# Altium PCB ESIMA_EIS.PcbDoc (part 3 of 3)
Units mm, origin at the board's own origin, x right, y up, seen from the top; angles counter-clockwise.
Board outline 83.45 x 62 mm, 4 copper layers (Top Layer, Signal Layer 1, Signal Layer 2, Bottom Layer), stack 1.583 mm thick; 170 components, 171 nets, 674 pads, 365 vias.
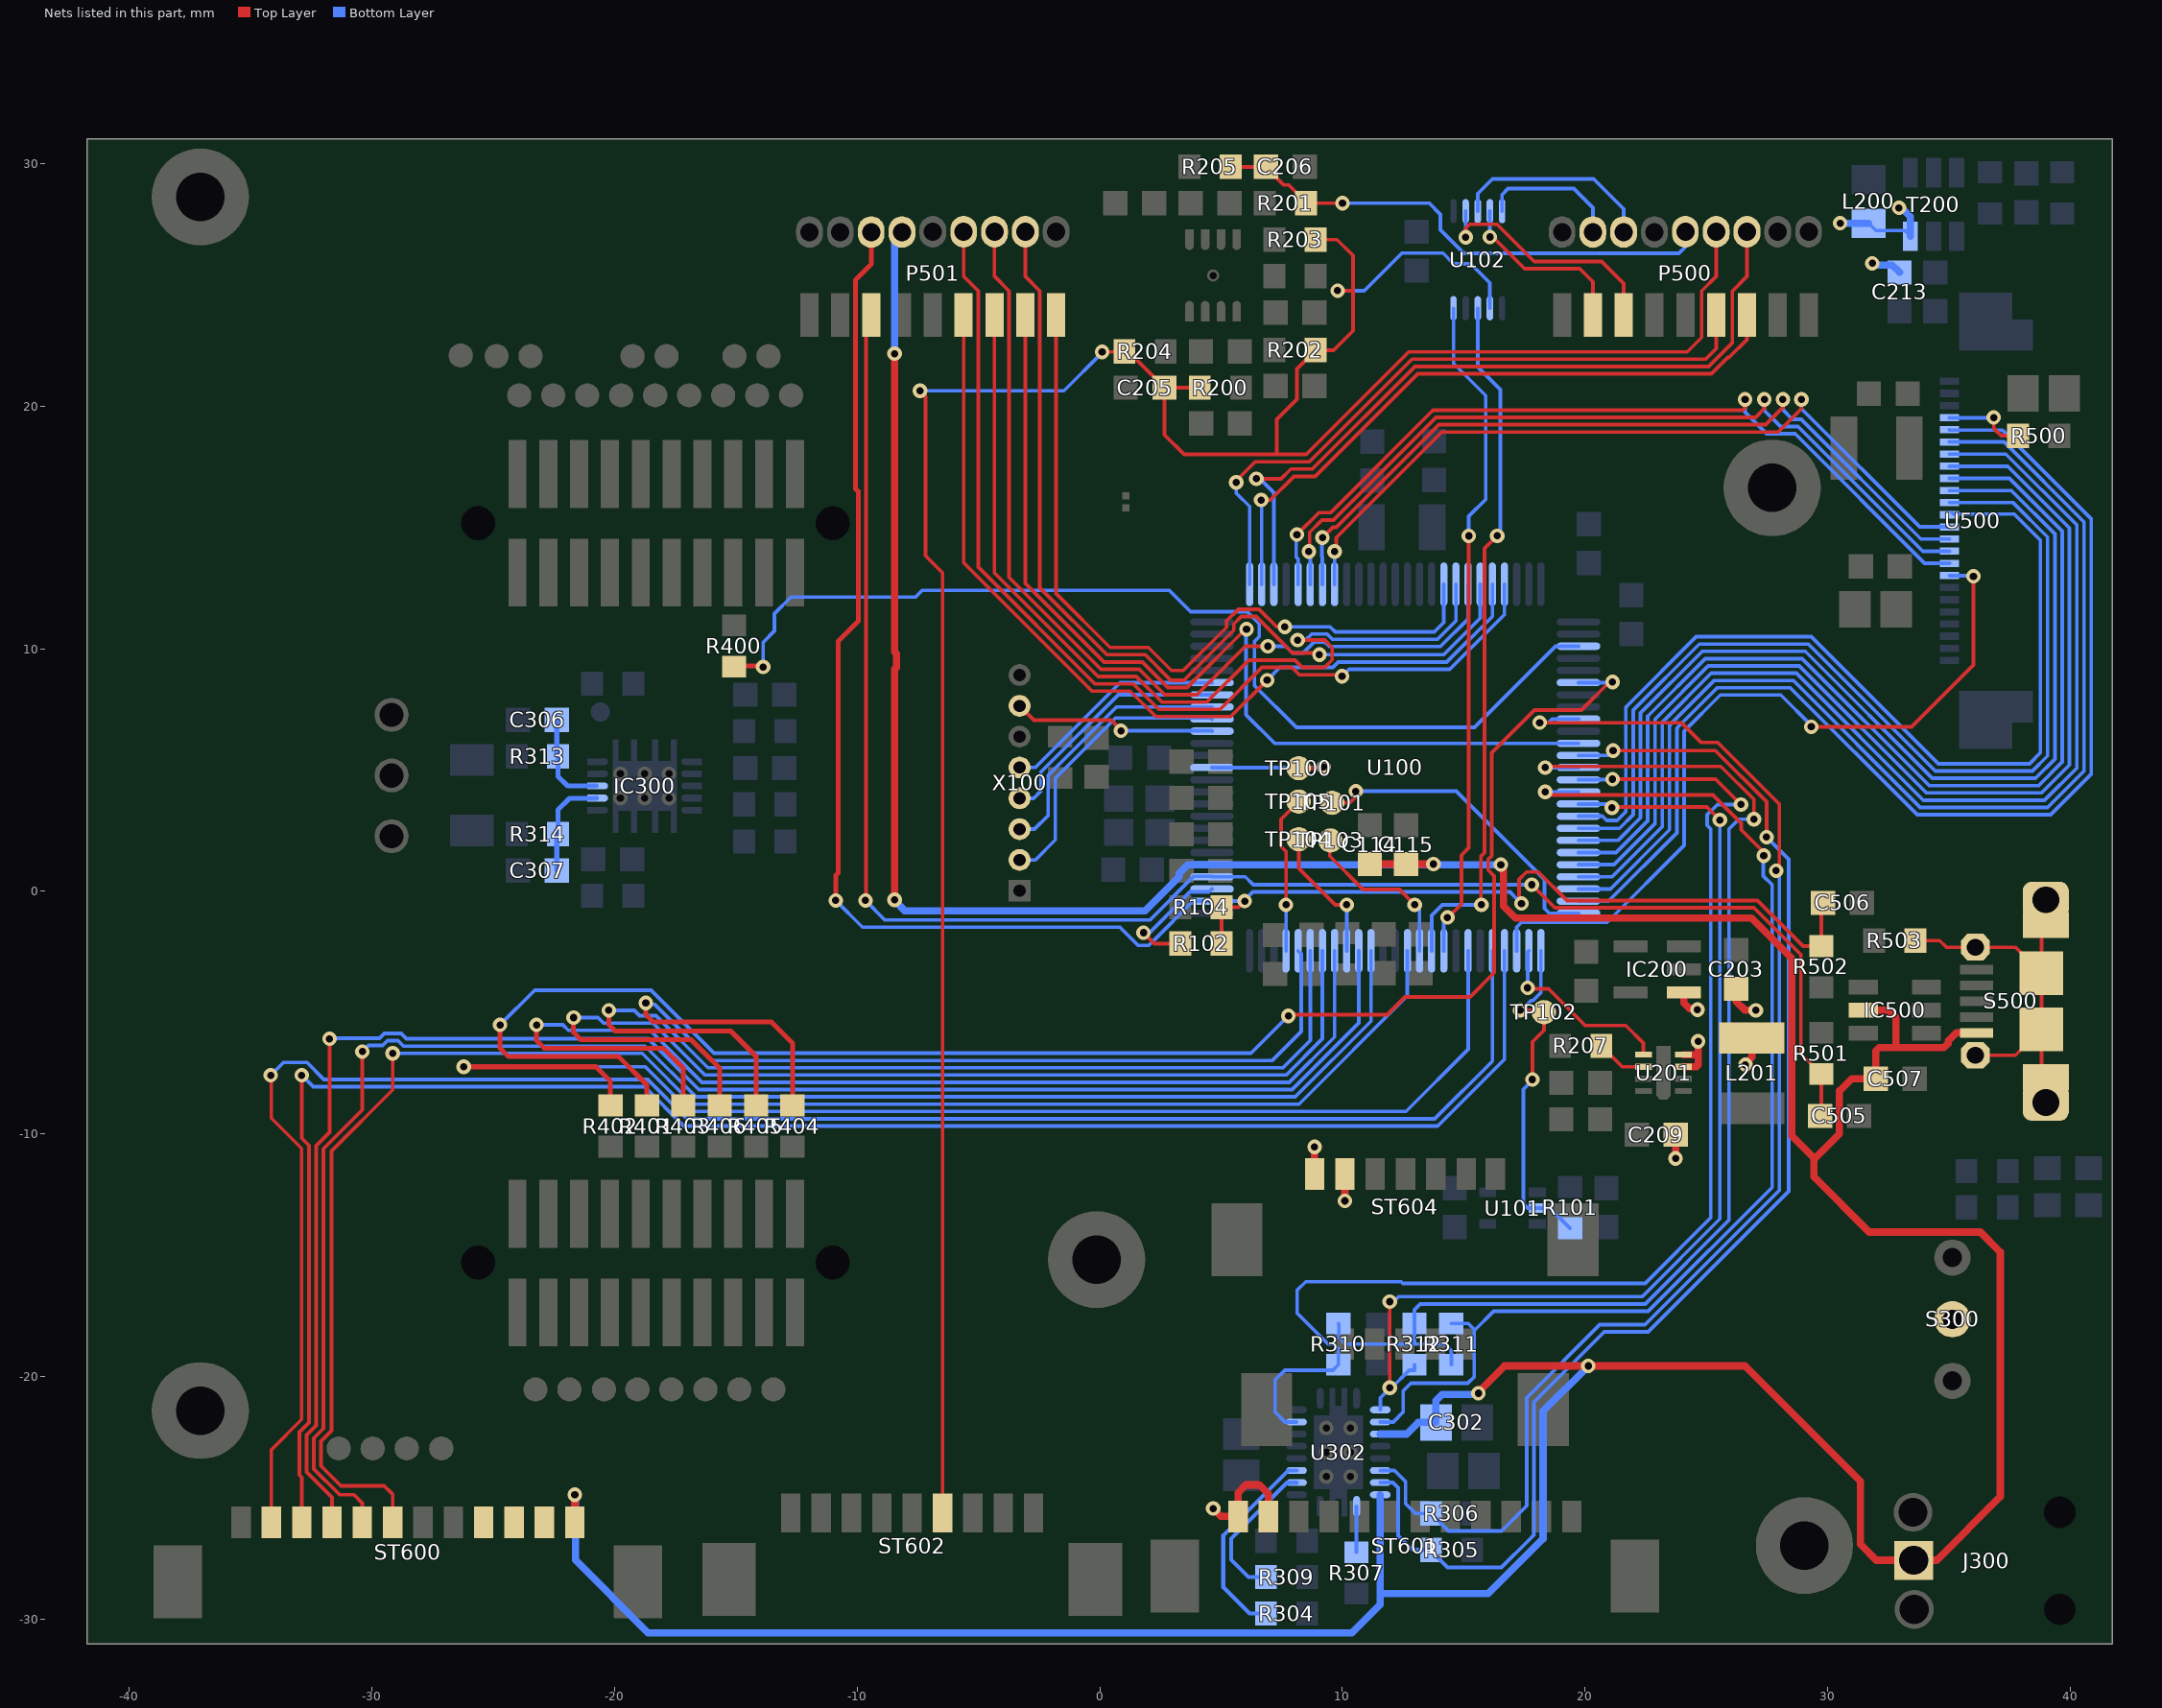
[diagram p5: the nets of this part, all layers, seen from the top]

## Via types
v1: diameter 0.6, hole 0.3, Top Layer to Bottom Layer, 211 vias
v2: diameter 0.6, hole 0.3, Top Layer to Bottom Layer, tented both sides, 100 vias
v3: diameter 0.6, hole 0.3, Top Layer to Bottom Layer, tented bottom, 49 vias
v4: diameter 0.5, hole 0.3, Top Layer to Bottom Layer, 4 vias
v5: diameter 0.6, hole 0.3, Top Layer to Bottom Layer, tented top, 1 vias

## Nets (pads, with @x,y where several pads share a name; then routed paths per layer and width w, separated by ;. In a path a pad name is that pad's centre, name@x,y a point inside that pad or via, vN(x,y) a via of type N, cw(c..) or ccw(c..) an arc to the next point about the centre after c; other vN are vias at no path point) (continued)
NetP500_5: P500.5 U100.2 | length 27.2
  Top Layer w0.15: v1(6.65,16.125) 7.025,16.125 8,17.1 8.88,17.1 13.105,21.325 25.202,21.325 25.871,21.994 25.925,21.994 26.665,22.734 P500.5@26.665,23.743
  Bottom Layer w0.15: U100.2@6.675,12.65 v1@6.675,16.125
NetP500_6: P500.6 U100.3 | length 31.5
  Top Layer w0.15: v1(6.45,17.001) 7.476,17.001 7.875,17.4 8.756,17.4 12.981,21.625 25.077,21.625 26.065,22.613 26.065,24.736 26.665,25.336 P500.6@26.665,27.175
  Bottom Layer w0.15: v1@6.475,17.026 v1(6.45,17.001) 6.599,17.001 7.175,16.425 U100.3@7.175,12.65
NetP500_7: P500.7 U100.1 | length 27.9
  Top Layer w0.15: v1(5.625,16.85) 5.625,16.918 6.407,17.7 8.632,17.7 12.857,21.925 24.953,21.925 25.395,22.367 P500.7@25.395,23.743
  Bottom Layer w0.15: v1(5.625,16.85) 5.625,16.408 6.175,15.858 U100.1@6.175,12.65
NetP500_13: P500.13 U102.2 | length 10.4
  Top Layer w0.15: v3(15.076,26.951) 15.076,27.326 15.233,27.483 16.367,27.483 17.9,25.95 20.675,25.95 21.585,25.04 P500.13@21.585,23.743
  Bottom Layer w0.15: v3@15.076,26.878 v3(15.076,26.951) ; v3@15.075,26.952 U102.2@15.075,28.025
NetP500_14: P500.14 U102.3 | length 8.4
  Bottom Layer w0.15: U102.3@15.575,28.025 15.575,28.75 16.175,29.35 20.35,29.35 21.585,28.115 P500.14@21.585,27.163
NetP500_15: P500.15 U102.4 | length 7.4
  Top Layer w0.15: v3(16.075,26.958) 16.197,26.958 17.505,25.65 19.775,25.65 20.315,25.11 P500.15@20.315,23.743
  Bottom Layer w0.15: v3(16.075,26.958) U102.4@16.075,28.025
NetP500_16: P500.16 U102.5 | length 5.8
  Bottom Layer w0.15: U102.5@16.575,28.025 16.575,28.7 16.825,28.95 19.525,28.95 20.315,28.16 P500.16@20.315,27.163
NetP501_1: P501.1 U100.17 | length 32.2
  Top Layer w0.15: P501.1@-1.795,23.743 -1.795,12.27 0.425,10.05 2.004,10.05 2.954,9.1 3.443,9.1 5.225,10.883 5.225,11.142 5.708,11.625 6.568,11.625 7.292,10.901 v3(7.625,10.901)
  Bottom Layer w0.15: v3@7.524,10.901 v3(7.625,10.901) ; v3@7.626,10.9 9.492,10.9 9.705,10.687 13.786,10.687 14.175,11.076 U100.17@14.175,12.65
NetP501_3: P501.3 U100.36 | length 40.7
  Top Layer w0.15: P501.3@-3.065,23.743 -3.065,12.691 0.176,9.45 1.755,9.45 2.805,8.4 3.6,8.4 6,10.8 v3(6.05,10.8)
  Bottom Layer w0.15: v3(6.05,10.8) 6.025,10.775 6.025,7.279 7.204,6.1 U100.36@19.725,6.1
NetP501_4: P501.4 U100.20 | length 38.6
  Top Layer w0.15: P501.4@-3.065,27.175 -3.065,25.336 -2.465,24.736 -2.465,12.516 0.301,9.75 1.88,9.75 2.93,8.7 3.466,8.7 5.525,10.759 5.525,11.017 5.833,11.325 6.443,11.325 7.525,10.243 7.525,10.233 7.933,9.825 8.976,9.825 v3(9.05,9.75)
  Bottom Layer w0.15: v3@9.05,9.775 v3(9.05,9.75) 9.434,9.75 14.17,9.75 15.675,11.255 U100.20@15.675,12.65
NetP501_5: P501.5 U100.18 | length 38.5
  Top Layer w0.15: P501.5@-4.335,23.743 -4.335,13.113 -0.072,8.85 1.507,8.85 2.557,7.8 4.42,7.8 6.145,9.525 8.042,9.525 8.341,9.225 9.268,9.225 9.575,9.533 9.575,10.05 9.274,10.351 v3(8.15,10.351)
  Bottom Layer w0.15: v3@8.009,10.491 v3(8.15,10.351) 8.484,10.351 8.733,10.6 9.368,10.6 9.581,10.387 13.91,10.387 14.675,11.152 U100.18@14.675,12.65
NetP501_6: P501.6 U100.19 | length 38.5
  Top Layer w0.15: P501.6@-4.335,27.175 -4.335,25.336 -3.735,24.736 -3.735,12.937 0.052,9.15 1.631,9.15 2.681,8.1 4,8.1 6,10.1 v3(6.925,10.1)
  Bottom Layer w0.15: v3@6.9,10.1 7.658,10.1 7.933,9.826 8.383,9.826 8.833,10.275 9.268,10.275 9.456,10.087 14.034,10.087 15.175,11.228 U100.19@15.175,12.65
NetP501_7: P501.7 U100.21 | length 37.6
  Top Layer w0.15: P501.7@-5.605,23.743 -5.605,13.534 -0.321,8.25 1.258,8.25 2.308,7.2 5.4,7.2 v3(6.9,8.7)
  Bottom Layer w0.15: v3(6.9,8.7) 7.425,9.225 9.6,9.225 9.825,9.45 14.294,9.45 16.175,11.331 U100.21@16.175,12.65
NetP501_8: P501.8 U100.22 | length 41.3
  Top Layer w0.15: P501.8@-5.605,27.175 -5.605,25.336 -5.005,24.736 -5.005,13.359 -0.196,8.55 1.383,8.55 2.433,7.5 4.958,7.5 6.683,9.225 7.917,9.225 8.217,8.925 9.921,8.925 v3(9.982,8.865)
  Bottom Layer w0.15: v3(9.982,8.865) 10.268,9.15 14.419,9.15 16.675,11.406 U100.22@16.675,12.65
NetR102_2: R102.2 U100.78 | length 5.3
  Top Layer w0.15: v1(1.802,-1.7) 2.252,-2.15 R102.2@3.325,-2.15
  Bottom Layer w0.15: v1(1.802,-1.7) 1.877,-1.775 1.975,-1.775 3.5,-0.25 3.5,-0.245 3.72,-0.025 4.5,-0.025 U100.78@4.625,0.1
NetR207_1: R207.1 U201.6 | length 2.1
  Top Layer w0.15: R207.1@20.666,-6.365 21.526,-7.225 U201.6@22.4,-7.225
NetR304_2: R304.2 U302.14 | length 8.5
  Bottom Layer w0.17: R304.2@6.85,-29.75 6.175,-29.75 5.095,-28.67 5.095,-26.53 5.596,-26.029 7.767,-23.858 U302.14@8.108,-23.858
NetR305_2: R305.2 U100.37 U302.8 | length 54.2
  Top Layer w0.15: v1(21.15,5.8) 25.364,5.8 27.474,3.69 27.474,2.238 v1(27.471,2.235)
  Bottom Layer w0.15: U302.8@11.558,-24.358 12.083,-24.358 12.3,-24.575 12.3,-26.55 12.875,-27.125 R305.2@13.65,-27.125 13.65,-27.175 14.325,-27.85 16.55,-27.85 17.7,-26.7 ; 17.7,-26.699 17.888,-26.511 17.888,-24.308 17.888,-21.045 20.782,-18.151 22.59,-18.151 28.389,-12.352 28.389,1.318 v1(27.471,2.235) ; U100.37@19.725,5.6 20.95,5.6 v1(21.15,5.8)
NetR306_2: R306.2 U100.34 U302.7 | length 55.4
  Top Layer w0.15: v3(18.125,6.95) 23.952,6.95 24.763,6.139 25.449,6.139 27.996,3.592 27.996,0.985 v1(27.864,0.853)
  Bottom Layer w0.15: U302.7@11.558,-23.858 12.147,-23.858 12.6,-24.311 12.6,-25.225 13,-25.625 R306.2@13.65,-25.625 14.375,-26.35 16.552,-26.35 17.588,-25.314 17.588,-24.433 17.588,-20.863 20.6,-17.851 22.466,-17.851 28.001,-12.315 28.001,0.716 v1(27.864,0.853) ; v3(18.125,6.95) 18.492,6.95 18.642,7.1 U100.34@19.725,7.1
NetR307_2: R307.2 U302.10 | length 1.9
  Bottom Layer w0.15: R307.2@10.575,-27.225 U302.10@10.575,-25.341
NetR309_1: R309.1 U302.13 | length 6.3
  Bottom Layer w0.17: R309.1@6.85,-28.25 6.127,-28.25 5.415,-27.538 5.415,-26.663 5.728,-26.349 7.72,-24.358 U302.13@8.108,-24.358
NetR310_1: R310.1 R311.1 R312.1 U100.38 | length 50.6
  Top Layer w0.15: v3(18.35,5.1) 18.4,5.15 25.59,5.15 26.949,3.79 v1(26.949,2.972)
  Bottom Layer w0.15: R310.1@9.833,-17.8 9.85,-17.817 9.85,-18.375 10.125,-18.65 14.2,-18.65 14.483,-18.933 R311.1@14.483,-19.5 ; 12.966,-18.65 R312.1@12.966,-17.8 12.966,-17.234 13.203,-16.997 22.47,-16.997 25.925,-13.543 25.925,2.571 26.326,2.972 v1(26.949,2.972) ; v3(18.35,5.1) U100.38@19.725,5.1
NetR310_2: R310.2 U100.39 U302.18 | length 52.9
  Top Layer w0.15: v1(21.126,4.625) 25.372,4.625 v1(26.416,3.581)
  Bottom Layer w0.15: U302.18@8.108,-21.858 7.633,-21.858 7.225,-21.45 7.225,-20.125 7.625,-19.725 9.608,-19.725 R310.2@9.833,-19.5 9.833,-18.833 9.65,-18.65 9.415,-18.65 8.136,-17.372 8.136,-16.432 8.491,-16.078 12.424,-16.078 12.496,-16.151 22.469,-16.151 25.175,-13.444 25.175,2.571 25.025,2.721 25.025,3.156 25.45,3.581 v1(26.416,3.581) ; U100.39@19.725,4.6 21.125,4.6 21.126,4.601 v1(21.126,4.625)
NetR311_2: R311.2 U100.40 U302.3 | length 48.4
  Top Layer w0.15: v3(18.35,4.1) 18.475,3.975 25.256,3.975 26.424,2.807 26.424,2.54 27.356,1.608 v1(27.356,1.473)
  Bottom Layer w0.15: U302.3@11.558,-21.858 12.092,-21.858 12.5,-21.45 12.5,-20.575 12.816,-20.259 15.166,-20.259 15.425,-20 15.425,-18.05 15.175,-17.8 R311.2@14.483,-17.8 ; 15.45,-18.1 15.45,-18.077 16.229,-17.297 22.595,-17.297 27.701,-12.191 27.701,0.273 27.339,0.636 27.339,1.456 v1(27.356,1.473) ; v3(18.35,4.1) U100.40@19.725,4.1
NetR312_2: R312.2 U100.41 U302.2 | length 43.7
  Top Layer w0.15: v1(11.95,-20.45) v1(11.95,-16.9) ; v1(21.1,3.45) 21.2,3.45 21.225,3.475 25.014,3.475 v1(25.55,2.939)
  Bottom Layer w0.15: U302.2@11.558,-21.358 11.558,-20.867 11.8,-20.625 v1@12,-20.625 ; v1(11.95,-20.45) 12.026,-20.45 12.751,-19.725 12.966,-19.725 R312.2@12.966,-19.5 ; v1(11.95,-16.9) v1@12.075,-16.925 ; v1@12.083,-16.933 v1@12.075,-16.925 ; U100.41@19.725,3.6 20.95,3.6 v1(21.1,3.45) ; v1(25.55,2.939) 25.55,-13.494 22.346,-16.697 12.303,-16.697 v1@12.075,-16.925
NetR500_1: R500.1 U500.4 | length 3.4
  Top Layer w0.15: v1(36.83,19.525) 36.83,19.075 37.135,18.771 R500.1@37.834,18.771
  Bottom Layer w0.15: U500.4@35.001,19.515 35.001,19.502 v1@36.807,19.502
NetR503_2: R503.2 S500.GND1 S500.GND2 S500.GND3 S500.GND4 S500.GND5 S500.GND6 | length 17.2
  Top Layer w0.15: R503.2@33.6,-2.025 34.6,-2.025 34.875,-2.3 S500.GND6@36.075,-2.3 37.72,-2.3 S500.GND2@38.795,-3.375 ; S500.GND5@36.075,-6.75 37.72,-6.75 S500.GND1@38.795,-5.675 ; S500.GND4@38.795,-0.53 S500.GND2@38.795,-3.375 ; S500.GND3@38.975,-8.7 38.795,-8.52 S500.GND1@38.795,-5.675 ; S500.GND1@38.795,-5.675 S500.GND2@38.795,-3.375
NetST600_2: ST600.2 U100.55 | length 76.5
  Top Layer w0.15: ST600.2@-34.125,-26 -34.125,-23.003 -32.879,-21.756 -32.879,-10.589 -34.125,-9.343 v1@-34.125,-7.575
  Bottom Layer w0.15: v1(-34.15,-7.575) -33.625,-7.05 -32.658,-7.05 -31.958,-7.75 -18.623,-7.75 -17.008,-9.365 13.803,-9.365 16.175,-6.992 U100.55@16.175,-2.45
NetST600_3: ST600.3 U100.54 | length 74.8
  Top Layer w0.15: ST600.3@-32.875,-26 -32.875,-24.143 -32.975,-24.043 -32.975,-22.277 -32.579,-21.881 -32.579,-10.465 -32.875,-10.168 v1(-32.875,-7.575)
  Bottom Layer w0.15: v1(-32.875,-7.575) -32.4,-8.05 -18.747,-8.05 -17.132,-9.665 13.927,-9.665 16.675,-6.917 U100.54@16.675,-2.45
NetST600_6: ST600.6 U100.62 | length 69.2
  Top Layer w0.15: ST600.6@-29.125,-26 -29.125,-24.844 -29.177,-24.792 -29.483,-24.486 -31.26,-24.486 -32.075,-23.671 -32.075,-22.65 -31.648,-22.223 -31.648,-10.7 -29.125,-8.177 v1(-29.125,-6.675)
  Bottom Layer w0.15: v1(-29.125,-6.675) -18.849,-6.675 -16.759,-8.765 8.21,-8.765 12.675,-4.3 U100.62@12.675,-2.45
NetST600_9: ST600.9
NetST600_10: ST600.10
NetST600_11: ST600.11
NetTP100_1: TP100.1 U100.88 | length 5.6
  Top Layer w0.15: TP100.1@8.2,5.075 9.175,5.075 v3(9.225,5.125)
  Bottom Layer w0.15: U100.88@4.625,5.1 v3@9.225,5.1
NetTP101_1: TP101.1 U100.50 | length 13.3
  Top Layer w0.15: TP101.1@9.575,3.65 10.3,3.65 10.55,3.9 v3(10.55,4.125)
  Bottom Layer w0.15: v3(10.55,4.125) 14.692,4.125 18.325,0.492 18.325,-0.7 18.525,-0.9 U100.50@19.725,-0.9
NetTP103_1: TP103.1 U100.61 | length 7
  Top Layer w0.15: TP103.1@9.5,2.1 9.48,2.08 9.48,1.452 10.857,0.075 12.35,0.075 v3(12.975,-0.55)
  Bottom Layer w0.15: v3(12.975,-0.55) 13.175,-0.75 U100.61@13.175,-2.45
NetTP104_1: TP104.1 U100.67 | length 5.7
  Top Layer w0.15: TP104.1@8.2,2.15 8.2,0.95 9.7,-0.55 v3(10.175,-0.55)
  Bottom Layer w0.15: U100.67@10.175,-2.45 v3(10.175,-0.55) ; v3(10.175,-0.55) v3@10.175,-0.5
NetTP105_1: TP105.1 U100.72 | length 6.6
  Top Layer w0.15: v3(7.675,-0.55) 7.675,1.649 7.475,1.85 7.475,2.975 TP105.1@8.2,3.7
  Bottom Layer w0.15: U100.72@7.675,-2.45 v3(7.675,-0.55) ; v3(7.675,-0.55) v3@7.7,-0.525
NetU100_5: U100.5 U500.16 | length 34.6
  Top Layer w0.15: v1(8.125,14.7) 9.025,15.6 9.501,15.6 13.726,19.825 26.48,19.825 26.585,19.93 v1(26.585,20.269)
  Bottom Layer w0.15: v1(8.125,14.7) 8.091,14.666 8.091,13.783 8.175,13.698 U100.5@8.175,12.65 ; v1(26.585,20.269) 26.585,19.744 27.48,18.85 28.648,18.85 33.983,13.515 U500.16@35.001,13.515
NetU100_6: U100.6 U500.15 | length 33.9
  Top Layer w0.15: v1(8.616,14) 8.65,14.034 8.65,14.792 9.158,15.3 9.626,15.3 13.851,19.525 27.015,19.525 27.381,19.891 v1(27.381,20.269)
  Bottom Layer w0.15: v1@8.625,14.009 v1(8.616,14) 8.675,13.941 U100.6@8.675,12.65 ; v1(27.381,20.269) 27.381,19.812 28.043,19.15 28.772,19.15 33.907,14.015 U500.15@35.001,14.015
NetU100_7: U100.7 U500.14 | length 33
  Top Layer w0.15: v1(9.175,14.575) 9.6,15 9.75,15 13.975,19.225 26.126,19.225 27.074,19.225 27.429,19.225 28.143,19.939 v1(28.143,20.269)
  Bottom Layer w0.15: U100.7@9.175,12.65 9.175,13.759 9.15,13.783 9.15,14.526 9.125,14.551 v1@9.226,14.551 ; v1(28.143,20.269) 28.143,19.837 28.531,19.45 28.897,19.45 33.831,14.515 U500.14@35.001,14.515
NetU100_8: U100.8 U500.13 | length 32.2
  Top Layer w0.15: v1(9.675,14.001) 9.75,14.075 9.75,14.576 14.099,18.925 27.95,18.925 28.905,19.881 v1(28.905,20.269)
  Bottom Layer w0.15: U100.8@9.675,12.65 v1@9.675,14 ; v1(9.675,14.001) v1@9.699,14.001 ; v1(28.905,20.269) 28.905,19.888 33.778,15.015 U500.13@35.001,15.015
NetU100_52: U100.52 U201.5 | length 7.9
  Top Layer w0.15: v1(17.626,-3.975) 17.626,-4.134 17.745,-4.015 18.49,-4.015 20,-5.525 21.675,-5.525 22.4,-6.25 U201.5@22.4,-6.725
  Bottom Layer w0.15: v1(17.626,-3.975) 17.626,-2.499 U100.52@17.675,-2.45
NetU100_53: U100.53 U500.17 | length 32.8
  Top Layer w0.15: v1(29.312,6.782) 33.449,6.782 35.992,9.324 v1(35.992,12.979)
  Bottom Layer w0.15: U100.53@17.175,-2.45 17.175,-1.475 17.375,-1.275 20.901,-1.275 24.075,1.899 24.075,6.589 24.1,6.614 24.1,6.623 25.566,8.089 28.055,8.089 29.312,6.833 v1(29.312,6.782) ; U500.17@35.001,13.015 35.012,13.005 35.966,13.005 v1(35.992,12.979)
NetU100_91: U100.91 X100.7 | length 8.4
  Top Layer w0.15: X100.7@-3.3,7.645 -2.705,7.05 -0.82,7.05 0.468,7.05 0.875,6.643 v1(0.875,6.618)
  Bottom Layer w0.15: v1(0.875,6.618) 4.593,6.618 4.6,6.625 U100.91@4.625,6.6
NetU100_92: U100.92 X100.2 | length 11.9
  Bottom Layer w0.15: X100.2@-3.3,1.295 -2.655,1.295 -1.825,2.125 -1.825,4.661 0.658,7.143 4.582,7.143 U100.92@4.625,7.1
NetU100_93: U100.93 X100.3 | length 11
  Bottom Layer w0.15: X100.3@-3.3,2.565 -2.685,2.565 -2.125,3.125 -2.125,4.785 0.69,7.6 U100.93@4.625,7.6
NetU100_94: U100.94 X100.4 | length 10.2
  Bottom Layer w0.15: X100.4@-3.3,3.835 -2.715,3.835 -2.425,4.125 -2.425,4.909 0.766,8.1 U100.94@4.625,8.1
NetU100_95: U100.95 X100.5 | length 9.4
  Bottom Layer w0.15: X100.5@-3.3,5.105 -2.653,5.105 0.842,8.6 U100.95@4.625,8.6
OLED_D0: U100.42 U500.12 | length 40
  Bottom Layer w0.15: U100.42@19.725,3.1 20.708,3.1 20.883,2.925 21.317,2.925 21.675,3.283 21.675,7.583 21.7,7.608 21.7,7.617 24.572,10.489 29.316,10.489 34.547,5.258 38.304,5.258 38.75,5.705 38.75,14.474 37.679,15.545 35.158,15.545 U500.12@35.094,15.608
OLED_D1: U100.43 U500.11 | length 41.1
  Bottom Layer w0.15: U100.43@19.725,2.6 21.417,2.6 21.975,3.158 21.975,7.459 22,7.484 22,7.493 24.696,10.189 29.192,10.189 34.423,4.958 38.428,4.958 39.05,5.58 39.05,14.598 37.632,16.015 U500.11@35.001,16.015
OLED_D2: U100.44 U500.10 | length 42.2
  Bottom Layer w0.15: U100.44@19.725,2.1 21.341,2.1 22.275,3.034 22.275,7.334 22.3,7.359 22.3,7.369 24.821,9.889 29.068,9.889 34.299,4.658 38.552,4.658 39.35,5.456 39.35,14.722 37.557,16.515 U500.10@35.001,16.515
OLED_D3: U100.45 U500.9 | length 43.4
  Bottom Layer w0.15: U100.45@19.725,1.6 21.265,1.6 22.575,2.91 22.575,7.21 22.6,7.235 22.6,7.244 24.945,9.589 28.944,9.589 34.175,4.358 38.677,4.358 39.65,5.332 39.65,14.846 37.481,17.015 U500.9@35.001,17.015
OLED_D4: U100.46 U500.8 | length 44.6
  Bottom Layer w0.15: U100.46@19.725,1.1 21.19,1.1 22.875,2.785 22.875,7.086 22.9,7.111 22.9,7.12 25.069,9.289 28.819,9.289 34.05,4.058 38.801,4.058 39.95,5.208 39.95,14.971 37.405,17.515 U500.8@35.001,17.515
OLED_D5: U100.47 U500.7 | length 45.7
  Bottom Layer w0.15: U100.47@19.725,0.6 21.114,0.6 23.175,2.661 23.175,6.962 23.2,6.987 23.2,6.996 25.193,8.989 28.695,8.989 33.926,3.758 38.925,3.758 40.25,5.083 40.25,15.095 37.329,18.015 U500.7@35.001,18.015
OLED_D6: U100.48 U500.6 | length 46.9
  Bottom Layer w0.15: U100.48@19.725,0.1 21.038,0.1 23.475,2.537 23.475,6.837 23.5,6.862 23.5,6.872 25.318,8.689 28.571,8.689 33.802,3.458 39.049,3.458 40.55,4.959 40.55,15.219 37.254,18.515 U500.6@35.001,18.515
OLED_D7: U100.49 U500.5 | length 48
  Bottom Layer w0.15: U100.49@19.725,-0.4 20.962,-0.4 23.775,2.413 23.775,6.713 23.8,6.738 23.8,6.747 25.442,8.389 28.446,8.389 33.677,3.158 39.174,3.158 40.85,4.835 40.85,15.343 37.193,19 35.017,19 U500.5@35.001,19.015
REF1.25V: C206.2 P500.10 R201.1 R205.2 | length 21.1
  Top Layer w0.15: R205.2@5.395,29.85 C206.2@6.845,29.85 7.595,29.1 7.795,29.1 8.495,28.4 R201.1@8.495,28.35 v1(10,28.35)
  Bottom Layer w0.15: v1(10,28.35) 13.575,28.35 14.034,27.891 14.034,27.25 14.997,26.288 23.863,26.288 24.125,26.55 P500.10@24.125,26.933
REF2.5V: C205.2 P500.8 R200.1 R202.2 R203.2 R204.2 ST602.6 U102.7 | length 111.2
  Top Layer w0.15: v1(-7.4,20.625) -7.175,20.4 -7.175,13.825 -6.475,13.125 ST602.6@-6.475,-25.6 ; v1(0.1,22.226) 0.996,22.226 R204.2@1.02,22.25 1.17,22.25 C205.2@2.67,20.75 ; R200.1@4.12,20.75 C205.2@2.67,20.75 ; R203.2@8.895,26.85 9.777,26.85 10.431,26.196 10.431,23.096 9.635,22.3 R202.2@8.895,22.3 8.125,21.53 8.125,20.283 7.292,19.45 7.292,18 ; v1(9.801,24.751) 10.375,24.751 ; P500.8@25.395,27.175 25.395,25.336 24.795,24.736 24.795,22.82 24.2,22.225 12.732,22.225 8.507,18 7.292,18 ; C205.2@2.67,20.75 2.67,18.805 3.475,18 7.292,18
  Bottom Layer w0.15: v1(-7.4,20.625) -1.475,20.625 0.1,22.2 v1(0.1,22.226) ; v1(9.801,24.751) 10.901,24.751 12.449,26.3 14.144,26.3 14.587,25.857 15.291,25.857 16.075,25.073 U102.7@16.075,24.025
RF.CS: R403.2 U100.68 | length 46.9
  Top Layer w0.2: v1(-23.201,-5.5) -23.201,-6.136 -22.88,-6.457 -17.973,-6.457 -17.155,-7.275 R403.2@-17.155,-8.818
  Bottom Layer w0.15: v1(-23.201,-5.5) -22.118,-5.5 -21.893,-5.725 -18.526,-5.725 -16.387,-7.865 7.808,-7.865 9.675,-5.998 U100.68@9.675,-2.45
RF.DATAREADY: R402.2 U100.57 | length 54.5
  Top Layer w0.2: v1(-26.2,-7.225) -20.756,-7.225 -20.155,-7.827 R402.2@-20.155,-8.818
  Bottom Layer w0.15: v1(-26.2,-7.225) -18.723,-7.225 -16.884,-9.065 12.618,-9.065 15.175,-6.508 U100.57@15.175,-2.45
RF.MISO: R404.2 U100.71 | length 41.3
  Top Layer w0.2: v1(-18.7,-4.6) -18.7,-5.074 -18.39,-5.385 -13.517,-5.385 -12.655,-6.247 R404.2@-12.655,-8.818
  Bottom Layer w0.15: v1@-18.64,-4.66 -18.318,-4.66 -16.014,-6.965 7.11,-6.965 8.297,-5.777 8.297,-2.572 U100.71@8.175,-2.45
RF.MOSI: R405.2 U100.70 | length 43.3
  Top Layer w0.15: v1(-20.226,-4.9) v1@-20.2,-4.926
  Top Layer w0.2: v1(-20.226,-4.9) -20.226,-5.486 -19.955,-5.757 -15.198,-5.757 -14.155,-6.8 R405.2@-14.155,-8.818
  Bottom Layer w0.15: v1(-20.226,-4.9) -19.175,-4.9 -18.95,-5.125 -18.278,-5.125 -16.138,-7.265 7.552,-7.265 8.675,-6.142 U100.70@8.675,-2.45
RF.ONOFF: R401.2 U100.31 | length 69.3
  Top Layer w0.15: v1(7.772,-5.131) 7.823,-5.08 11.837,-5.08 12.57,-4.347 15.253,-4.347 16.251,-3.349 16.251,0.632 16,0.883 16,1.317 16.15,1.467 16.15,5.717 17.908,7.475 19.85,7.475 21.001,8.625 v1(21.126,8.625)
  Top Layer w0.2: v1(-24.701,-5.5) -24.701,-6.465 -24.359,-6.807 -19.812,-6.807 -18.655,-7.964 R401.2@-18.655,-8.818
  Bottom Layer w0.15: v1(-24.701,-5.5) -23.276,-4.075 -18.479,-4.075 -15.89,-6.665 6.238,-6.665 v1(7.772,-5.131) ; U100.31@19.725,8.6 21.125,8.6 21.126,8.601 v1(21.126,8.625)
RF.RESET: R400.2 U100.28 | length 42.8
  Top Layer w0.2: R400.2@-15.046,9.285 -13.907,9.285 v1(-13.868,9.246)
  Bottom Layer w0.15: v1@-13.716,9.296 -13.767,9.246 v1(-13.868,9.246) -13.868,10.262 -13.401,10.729 -13.401,11.441 -12.717,12.124 -7.587,12.124 -7.311,12.4 2.868,12.4 3.743,11.525 6.067,11.525 6.575,11.017 6.575,10.493 6.375,10.293 6.375,8.483 8.1,6.757 15.432,6.757 18.775,10.1 U100.28@19.725,10.1
RF.SCLK: R406.2 U100.69 | length 44.8
  Top Layer w0.2: v1(-21.676,-5.2) -21.676,-5.807 -21.376,-6.107 -16.829,-6.107 -15.655,-7.281 R406.2@-15.655,-8.818
  Bottom Layer w0.15: v1(-21.676,-5.2) -20.668,-5.2 -20.443,-5.425 -18.402,-5.425 -16.262,-7.565 7.684,-7.565 9.175,-6.074 U100.69@9.175,-2.45
SRN: C307.2 IC300.7 R314.2 | length 4.3
  Bottom Layer w0.2: C307.2@-22.365,0.864 -22.365,2.312 R314.2@-22.315,2.362 -22.315,3.365 -21.844,3.835 -20.754,3.835 IC300.7@-20.745,3.843
SRP: C306.2 IC300.8 R313.2 | length 4.1
  Bottom Layer w0.2: C306.2@-22.365,7.061 -22.365,5.613 R313.2@-22.315,5.563 -22.315,4.738 -21.92,4.343 IC300.8@-20.745,4.343
SYS_POWER: C203.2 C209.2 C213.2 IC200.1 L200.1 L201.1 S300.1 ST601.1 ST601.2 ST604.1 ST604.2 T200.6 U201.3 U201.4 | length 19.8
  Top Layer w0.3: v1(4.675,-25.425) 5,-25.75 ST601.1@5.7,-25.75 5.7,-24.775 6.025,-24.45 6.575,-24.45 6.95,-24.825 ST601.2@6.95,-25.75 ; ST604.1@8.85,-11.65 v1(8.85,-10.525) ; v1@10.1,-12.75 ST604.2@10.1,-11.65 ; v1(23.725,-11) C209.2@23.725,-10.025 ; U201.3@24.05,-7.225 24.575,-7.225 24.65,-7.15 24.65,-6.825 ; U201.4@24.05,-6.725 24.55,-6.725 24.65,-6.825 ; IC200.1@24.065,-4.165 24.065,-4.59 24.3,-4.825 24.676,-4.825 v1(24.626,-4.875) ; v1@24.65,-6.325 24.65,-6.825 ; C203.2@26.216,-4.015 26.216,-4.531 26.585,-4.9 v1(27.026,-4.9) ; v1@26.625,-7.1 26.625,-7.115 v1(26.6,-7.14) 26.6,-7.101 26.866,-6.836 L201.1@26.866,-6.04
  Bottom Layer w0.15: L200.1@31.675,27.525 31.975,27.225 33.165,27.225 T200.6@33.4,26.99
  Bottom Layer w0.3: v1(30.501,27.526) v1(30.501,27.526) L200.1@31.675,27.525 ; v1@31.85,25.853 v1(31.827,25.876) 31.825,25.875 31.825,25.8 32.65,25.8 C213.2@32.95,25.5 ; v3(32.925,28.16) 33.04,28.16 33.4,27.8 T200.6@33.4,26.99
  other v1: 10.1,-12.751 24.65,-6.175
TBCCR1: R101.2 TP102.1 U100.51 U101.2 | length 14.5
  Top Layer w0.15: v1(17.326,-4.9) 18.225,-4.9 TP102.1@18.3,-4.975 18.3,-5.725 17.825,-6.2 v1(17.825,-7.75)
  Bottom Layer w0.15: v1(17.326,-4.9) 17.366,-4.9 17.766,-4.5 17.843,-4.5 18.175,-4.169 U100.51@18.175,-2.45 ; v1(17.825,-7.75) 17.825,-7.78 17.45,-8.155 17.45,-12.875 17.625,-13.05 U101.2@18.025,-13.05 18.55,-13.05 R101.2@19.375,-13.875
UCA1CLK: U100.59 U102.10 | length 27.7
  Top Layer w0.15: v3@14.35,-1.075 14.901,-0.524 14.901,1.491 15.204,1.794 v1(15.204,14.646)
  Bottom Layer w0.15: U100.59@14.175,-2.45 14.175,-1.226 v3(14.326,-1.075) ; U102.10@14.575,24.025 14.575,21.75 15.9,20.425 15.9,16.15 15.204,15.454 v1(15.204,14.646)
UCA1SIMO: U100.60 U102.8 | length 29
  Top Layer w0.15: v3@15.575,-0.55 15.7,-0.425 15.7,1.442 15.85,1.592 15.85,14.125 v1(16.376,14.651)
  Bottom Layer w0.15: U100.60@13.675,-2.45 13.675,-0.983 14.108,-0.55 v3@15.726,-0.55 ; U102.8@15.575,24.025 15.575,21.599 16.5,20.674 16.5,14.775 v1(16.376,14.651)
  other v3: 15.726,-0.55
UCB1_SCL: ST600.4 U100.66 | length 68.3
  Top Layer w0.15: v1(-31.727,-6.075) -31.727,-9.93 -32.279,-10.482 -32.279,-22.005 -32.675,-22.401 -32.675,-23.919 -31.625,-24.969 ST600.4@-31.625,-26
  Bottom Layer w0.15: v1(-31.727,-6.075) -31.701,-6.05 -29.667,-6.05 -29.467,-5.85 -28.783,-5.85 -28.558,-6.075 -18.601,-6.075 -16.511,-8.165 7.932,-8.165 10.675,-5.422 U100.66@10.675,-2.45
UCB1_SDA: ST600.5 U100.65 | length 68.4
  Top Layer w0.15: v1(-30.376,-6.6) -30.376,-9.004 -31.979,-10.606 -31.979,-22.129 -32.375,-22.525 -32.375,-23.795 -31.312,-24.858 -30.714,-24.858 -30.375,-25.197 ST600.5@-30.375,-26
  Bottom Layer w0.15: v1@-30.452,-6.525 v1(-30.376,-6.6) -30.126,-6.35 -29.542,-6.35 -29.342,-6.15 -28.908,-6.15 -28.683,-6.375 -18.725,-6.375 -16.635,-8.465 8.057,-8.465 11.175,-5.346 U100.65@11.175,-2.45
USB_5V: C114.1 C115.1 C302.2 C507.1 IC500.5 J300.1 P501.12 S500.1 ST600.12 U100.80 U302.4 U302.9 | length 204.8
  Top Layer w0.3: ST600.12@-21.625,-26 v1(-21.625,-24.858) ; v1(-8.45,-0.35) -8.45,9.151 -8.375,9.226 -8.375,9.8 -8.45,9.875 v1(-8.45,22.15) ; C114.1@11.125,1.125 C115.1@12.625,1.125 v3(13.75,1.125) ; v1(15.6,-20.675) 15.6,-20.625 16.675,-19.55 v1@20.075,-19.55 ; v3(16.525,1.1) 16.626,0.999 16.626,-0.598 17.127,-1.1 26.848,-1.1 28.516,-2.767 28.516,-10.066 29.45,-11 29.45,-11.025 ; v1@20.15,-19.55 v1@20.075,-19.55 ; IC500.5@31.458,-4.892 32.492,-4.892 32.8,-5.2 32.8,-6.442 32.108,-6.442 31.975,-6.575 C507.1@31.975,-7.725 30.975,-7.725 30.475,-8.225 30.475,-10 29.45,-11.025 ; 32.8,-6.367 32.875,-6.442 34.782,-6.442 34.958,-6.266 34.958,-6.16 35.293,-5.825 S500.1@36.12,-5.825 ; v1@20.075,-19.55 v1(20.125,-19.55) 26.586,-19.55 31.332,-24.296 31.332,-26.887 32.001,-27.556 J300.1@33.528,-27.556 34.483,-27.556 37.1,-24.939 37.1,-14.85 36.285,-14.035 31.7,-14.035 29.425,-11.76 29.425,-11.025 29.45,-11.025
  Bottom Layer w0.3: v1@-21.6,-24.775 -21.6,-27.55 -18.6,-30.55 10.383,-30.55 11.558,-29.375 11.558,-28.98 ; v1(-8.45,-0.35) -8.45,-0.375 -8.025,-0.8 1.874,-0.8 3.269,0.595 3.269,0.744 3.625,1.1 U100.80@4.625,1.1 v3(16.525,1.1) ; v1(-8.45,22.15) -8.45,26.858 P501.12@-8.145,27.163 ; U302.9@11.558,-24.858 11.558,-28.98 ; U302.4@11.558,-22.358 12.642,-22.358 13.125,-21.875 C302.2@13.85,-21.875 13.85,-20.975 14.1,-20.725 15.55,-20.725 v1(15.6,-20.675) ; v1(20.125,-19.55) 18.263,-21.412 18.263,-26.667 16.005,-28.925 11.613,-28.925 11.558,-28.98
USB_DM: C505.1 P501.13 R501.2 U100.79 | length 71.9
  Top Layer w0.15: v1@-9.5,-0.225 -9.625,-0.1 -9.625,23.533 P501.13@-9.415,23.743 ; v3(17.8,0.275) 18.75,-0.675 26.953,-0.675 28.891,-2.612 28.891,-6.691 R501.2@29.725,-7.525 C505.1@29.725,-9.2
  Bottom Layer w0.15: v1(-9.65,-0.375) -8.85,-1.175 2.07,-1.175 3.87,0.625 4.6,0.625 U100.79@4.625,0.6 6,0.6 6.325,0.275 17.501,0.275 17.325,0.275
USB_DP: C506.1 P501.14 R102.1 R104.2 R502.2 U100.77 | length 77.2
  Top Layer w0.15: R102.1@5.025,-2.15 R104.2@5.025,-0.65 5.725,-0.65 v3(5.975,-0.4) ; v3(17.376,-0.5) 17.275,-0.399 17.275,0.492 17.583,0.8 17.862,0.8 18.072,0.8 19.247,-0.375 27.096,-0.375 28.971,-2.25 R502.2@29.725,-2.25 C506.1@29.725,-0.55
  Top Layer w0.2: v1(-10.875,-0.375) -10.875,0.663 -10.775,0.763 -10.775,10.303 -9.95,11.128 -9.95,16.478 -10.058,16.586 -10.058,25.187 -9.415,25.83 P501.14@-9.415,27.163
  Bottom Layer w0.15: v1(-10.875,-0.375) -9.775,-1.475 0.835,-1.475 1.585,-2.225 2.02,-2.225 2.327,-1.917 3.72,-0.525 3.725,-0.525 3.85,-0.4 U100.77@4.625,-0.4 v3@5.934,-0.4 ; v3@5.955,-0.379 6.309,-0.025 16.901,-0.025 v3@17.201,-0.325
pads on no net: IC200.4 IC400. J300.0 J300.3 S300.3 S500.4 ST600.13 ST600.14 ST601.13 ST601.14 ST602.11 ST603.6 ST603.7 ST604.8 ST604.9 U100.30 U500.21 U500.H1 U500.H2
copper on no net:
  other v1: 16.701,-20.65 13.792,24.206
  other v3: 17.106,7.671

## Polygon pours and split planes (outlines as drawn)
A3V on Signal Layer 1 "Inner_L1_A3V" (solid, pour order 20): 25.45,31 25.45,26.193 -33.25,26.193 -33.25,-27.05 -33.174,-26.974 -10.25,-26.974 -10.25,-0.5 11.25,-0.5 11.25,-9.75 4.25,-9.75 4.25,-31 -41.75,-31 -41.75,30.75 -42,31
SYS_POWER on Signal Layer 1 "Inner_L1_SysPwr" (solid, pour order 19): 4.25,-31 4.25,-9.75 21.25,-9.75 23.725,-7.275 23.725,-0.675 33.575,-0.675 33.75,-0.5 33.75,25.3 25.45,25.3 25.45,31 33.75,31 41.75,31 41.725,30.975 41.725,-31
3V on Signal Layer 1 "Inner_L1_3V" (solid, pour order 21): -41.75,31 -41.725,30.975 -41.725,-31 41.725,-31 41.521,-30.796 41.521,31
AGND on Signal Layer 2 "Inner_L2_AGND" (solid, pour order 16): -1.15,31 -1.15,16.1 -1.125,16.075 4.275,16.075 4.275,-1.2 13.2,-1.2 13.2,21.935 13.225,21.96 13.235,21.95 24.825,21.95 24.825,31.175
GND_BQ on Signal Layer 2 "InL2_GND_BQ" (solid, pour order 17): 3.251,-16.281 3.251,-31 17.45,-31 17.45,-16.256
GND on Signal Layer 2 "Inner_L2_GND" (solid, pour order 18): -41.725,31 -41.725,-31 41.725,-31 41.725,31
NetC304_1 on Bottom Layer "Cap_Charger" (solid, pour order 15): 4.8,-21.45 4.8,-23.375 4.8,-23.75 8.8,-23.75 8.8,-21.45
GND on Bottom Layer "Bottom_GND" (solid, remove dead copper, pour order 23): -41.725,31 41.725,31 41.725,-31 -41.725,-31
GND on Top Layer "Top_GND" (solid, remove dead copper, pour order 22): -41.725,31 41.725,31 41.725,-31 -41.725,-31

## Keep-outs
Keep-Out Layer:
  the board outline again, w0.1

## Other copper
Top Layer:
  pour cut-out: 10.374,17.575 10.375,17.574 10.375,13.9 14.525,13.9 14.525,17.575
  pour cut-out: 0.101,4.975 0.102,1.3 3.2,1.3 3.2,4.975
  text "ESIMA EIS V1.1" at -34.464,29.172 h1
Signal Layer 1:
  pour cut-out: 10.374,17.575 10.375,17.574 10.375,13.9 14.525,13.9 14.525,17.575
  pour cut-out: 0.101,4.975 0.102,1.3 3.2,1.3 3.2,4.975
Signal Layer 2:
  pour cut-out: 10.374,17.575 10.375,17.574 10.375,13.9 14.525,13.9 14.525,17.575
  pour cut-out: 0.101,4.975 0.102,1.3 3.2,1.3 3.2,4.975
Bottom Layer:
  pour cut-out: 10.374,17.575 10.375,17.574 10.375,13.9 14.525,13.9 14.525,17.575
  pour cut-out: 0.101,4.975 0.102,1.3 3.2,1.3 3.2,4.975

## Silkscreen, mask and mechanical layers (free items; w line width, h text height)
Top Solder:
  text "ESIMA EIS V1.1" at -34.468,29.172 h1
Contur:
  the board outline again, w0.1
ConturPastenschablone:
  drawing of 7028 lines, arcs and shapes, not listed

## Dimensions
41.725,31 to 41.725,-31 on Dimension
-41.725,31 to 41.725,31 on Dimension

## Text inside footprints (layer, text, board x,y; h text height)
IC400: Top Overlay "1" at -24.675,-18.312 h1.33 r90; Top Overlay "1" at -25,12.238 h1.33 r90; Top Overlay "P1" at -10.414,-12.497 h0.89; Top Overlay "P2" at -10.642,18.11 h0.89
S300: Assy TOP "1-2 auf" at 36.878,-12.928 h1.52 r270; Assy TOP "1-3 zu" at 38.978,-13.553 h1.52 r270